# Altium PCB Dahlia Carrier Board.PcbDoc (part 6 of 10) (continued)
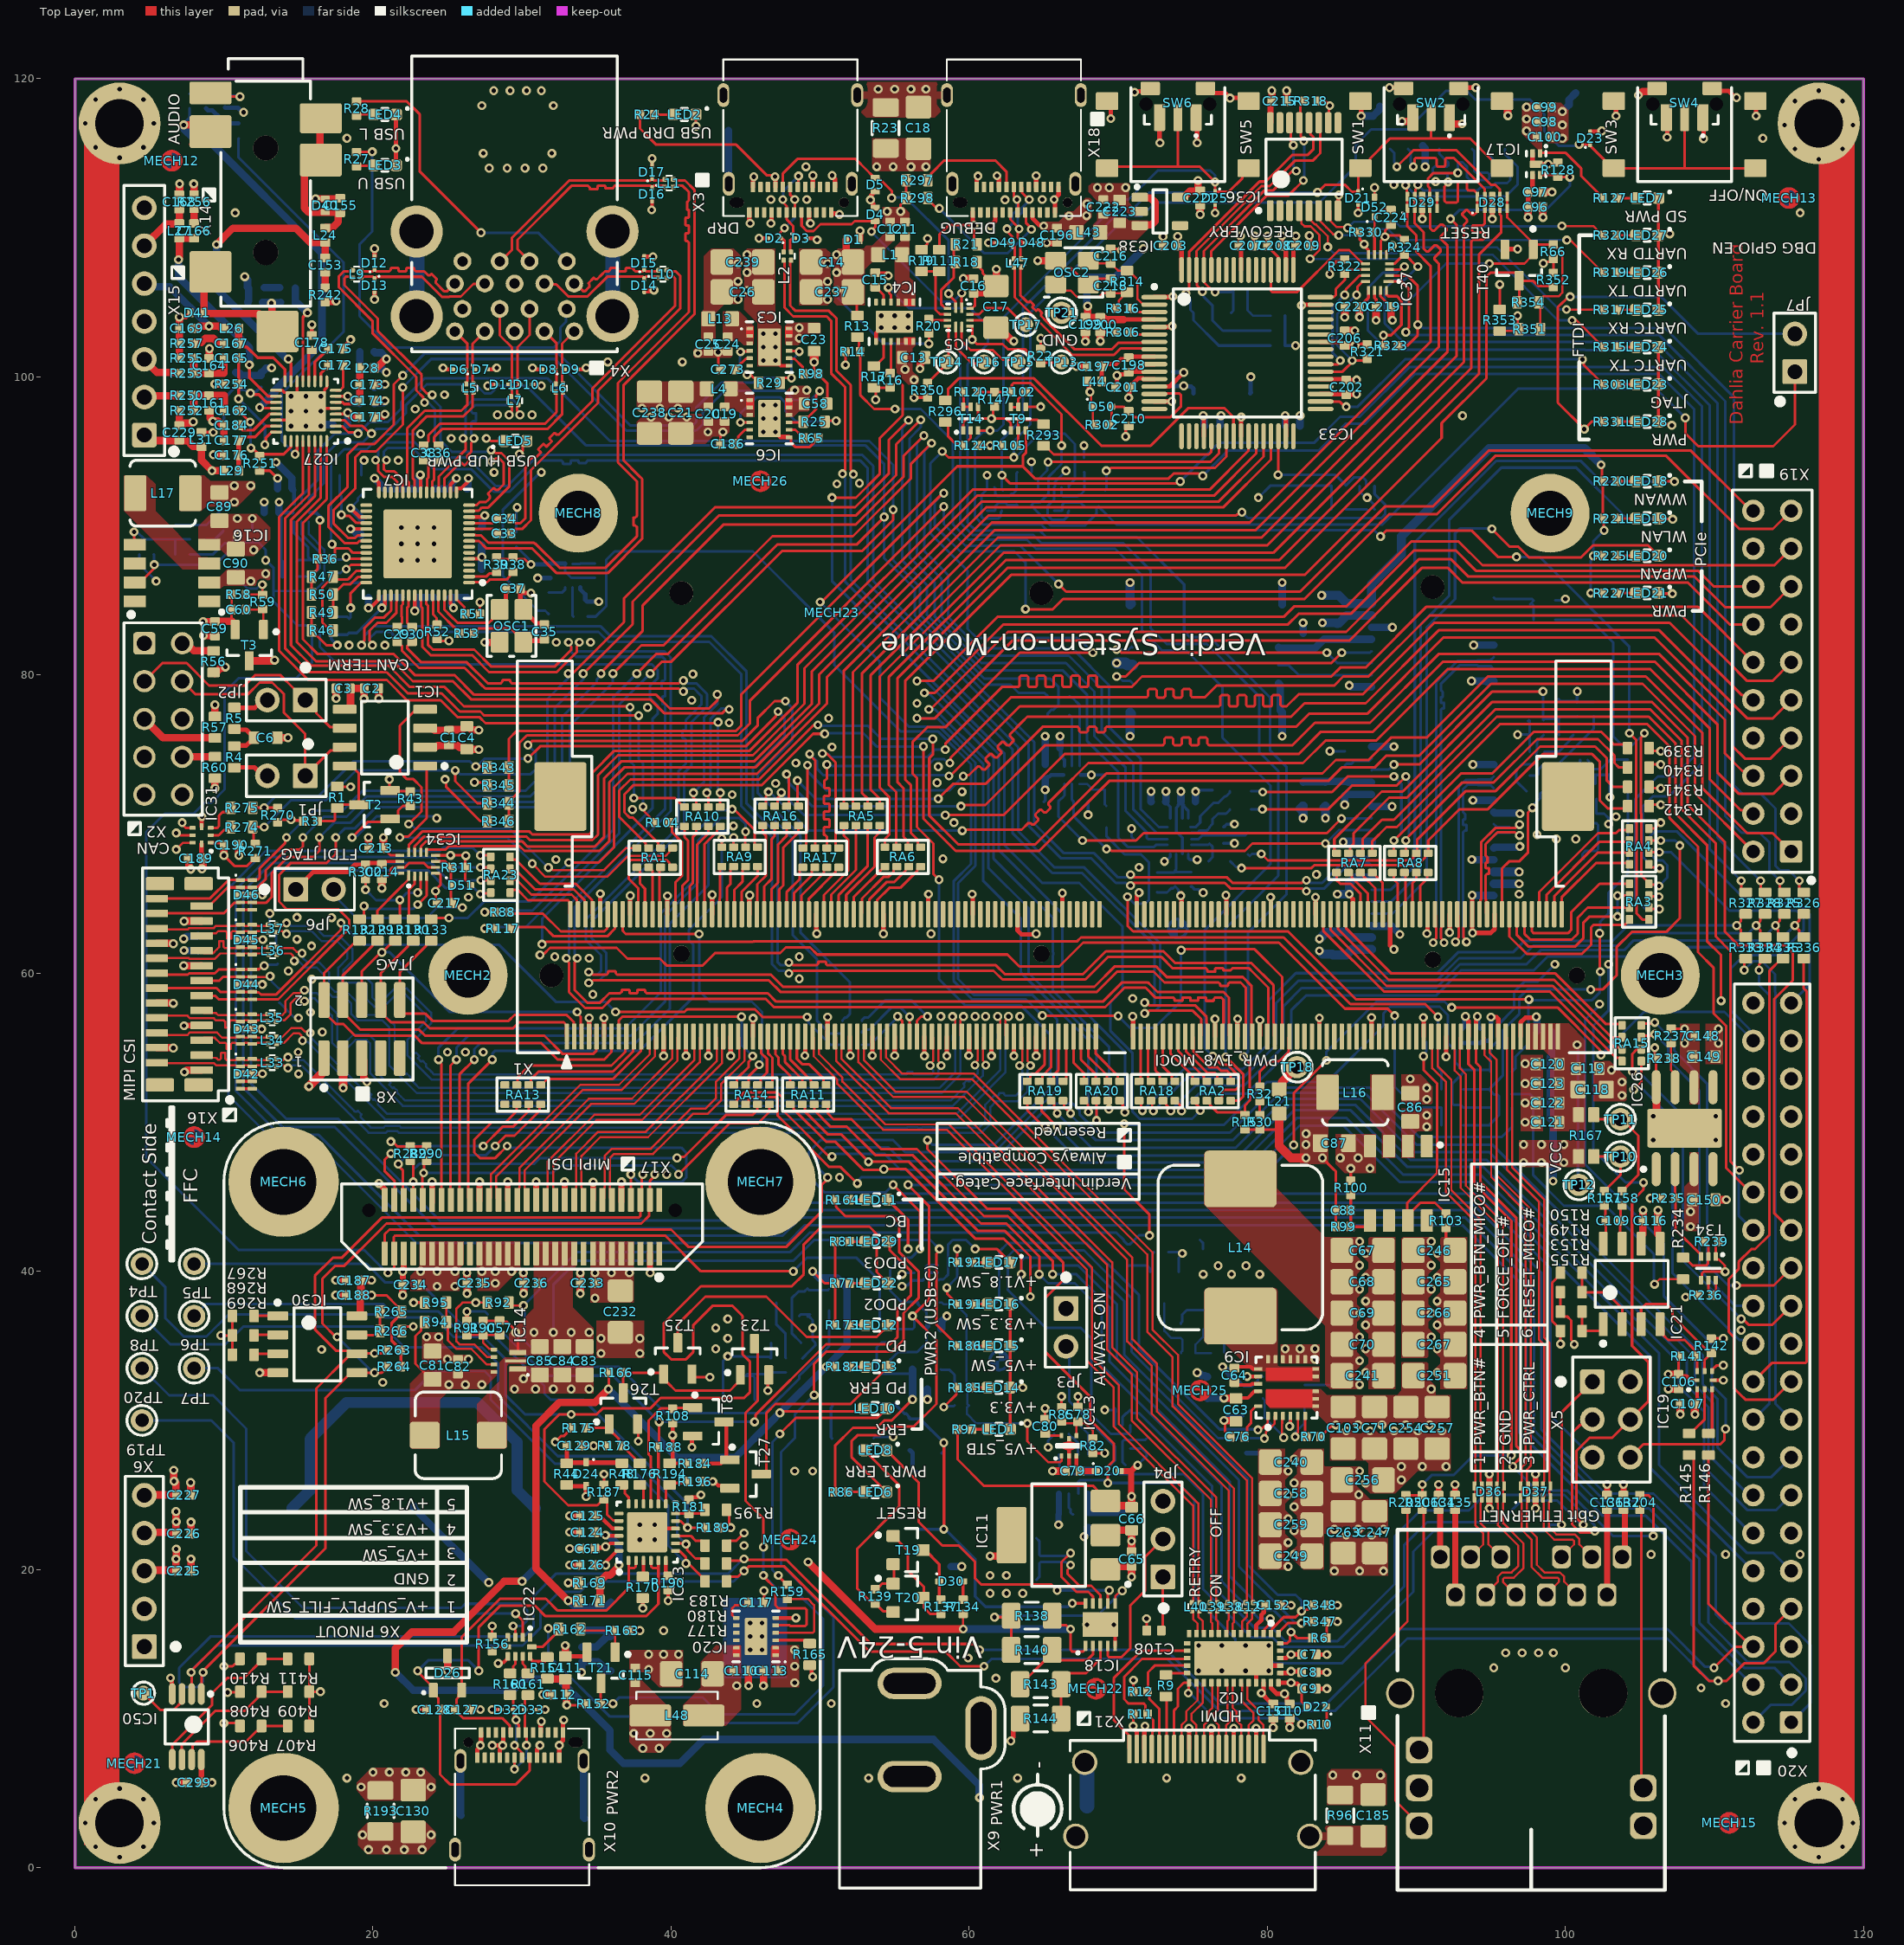
[diagram p0: Top Layer view]
## Nets (pads, with @x,y where several pads share a name; then routed paths per layer and width w, separated by ;. In a path a pad name is that pad's centre, name@x,y a point inside that pad or via, vN(x,y) a via of type N, cw(c..) or ccw(c..) an arc to the next point about the centre after c; other vN are vias at no path point) (continued)
  Top Layer w0.5: X16.4@5.5,55 6.548,55 6.573,54.975 v1(6.6,54.975) ; X16.10@5.5,58 v1@6.548,58 ; X16.18@5.5,62 v1@6.548,62 ; v1(6.8,5.7) C299.1@7.51,5.7 ; C229.2@7,96.74 C229.2@7.01,96.75 ; C168.1@7,112.23 7.025,112.255 v1(7.025,112.95) ; v1(7.005,104.02) 7.005,103.255 C169.1@7.01,103.25 7.015,103.245 7.015,101.255 R255.1@7.02,101.25 ; R252.1@7.02,97.75 7.01,97.74 C229.2@7.01,96.75 ; v1(7.3,116.9) 8.6,116.9 9.05,116.45 8.75,116.45 X14.4@7.9,115.6 ; v1(7.351,53.365) 7.378,53.365 7.513,53.5 X16.1@8.5,53.5 ; C189.1@7.61,67.7 7.65,67.66 7.65,67.131 7.775,67.005 v1(7.775,66.978) ; v1(7.762,25.829) 7.776,25.815 7.776,25.014 C227.1@7.79,25 ; v1(7.787,20.704) 7.789,20.702 7.789,19.901 C225.1@7.79,19.9 ; v1(7.787,23.179) v1(7.787,23.179) 7.789,22.401 C226.1@7.79,22.4 ; v1(7.935,96.989) 7.908,96.989 7.819,96.9 7.373,96.9 7.253,96.78 7.04,96.78 C229.2@7.01,96.75 ; v1(7.975,112.95) 7.988,112.937 7.988,112.242 R256.1@8,112.23 ; v1(8.625,82.65) 9.36,82.65 C59.1@9.4,82.61 ; C161.1@9,97.76 9.04,97.76 9.08,97.72 9.08,97.226 9.252,97.055 v1(9.252,97.028) 9.269,97.044 9.583,97.044 9.607,97.02 9.635,97.02 9.825,96.83 9.97,96.83 10.01,96.79 C184.1@10.01,96.75 C177.1@10.01,95.75 ; C164.1@9,101.24 9.013,101.253 9.013,101.888 v1(9.025,101.9) ; v1(9.3,94.775) 9.313,94.763 9.988,94.763 C176.1@10,94.75 ; R57.1@9.4,77.225 v1(9.4,78) ; R56.2@9.4,80.1 9.4,80.175 9.475,80.25 9.556,80.25 9.77,80.464 10,80.464 10.073,80.537 v1(10.1,80.537) ; v1@9.413,99.513 R254.1@10.048,99.513 ; C190.1@10.99,68.6 10.95,68.56 11,68.51 v1(11,67.9) ; v1(12.402,33.198) IC30.4@13.617,33.198 ; C6.1@13.575,75.8 v1(14.3,75.8) ; v1(16.15,111.95) D40.1@16.8,111.95 17.76,111.95 C155.1@17.8,111.99 ; R242.1@16.8,105.02 16.835,105.055 17.478,105.055 17.498,105.075 v1(17.525,105.075) ; v1(17.5,38.4) C188.1@18.21,38.4 C188.1@18.2,38.41 ; v1(17.5,39.4) C187.1@18.21,39.4 C187.1@18.2,39.39 ; C3.1@17.51,79.1 17.525,79.085 v1(17.525,78.432) ; X8.5@19.25,54.3 19.38,54.17 19.38,52.947 19.6,52.727 v1(19.6,52.7) ; v1(19.7,69.1) 19.705,69.095 19.705,68.405 C213.1@19.71,68.4 ; C171.1@20.09,97.3 20.09,97.34 20.13,97.38 20.68,97.38 v1(20.8,97.5) ; C174.1@20.09,98.4 v1(20.8,98.4) ; C173.1@20.09,99.5 v1(20.8,99.5) ; v1(20.39,78.41) C2.1@20.39,79.1 ; v1(20.6,65.7) C214.1@20.6,66.31 ; v1(22,38.4) 22,39.09 22.005,39.095 C234.1@22.01,39.1 ; IC1.2@23.5,75.165 24,75.165 24.05,75.215 24.283,75.215 24.343,75.275 25.065,75.275 C1.1@25.1,75.31 25.1,75.295 25.125,75.27 25.68,75.27 25.825,75.125 26.2,75.125 C4.1@26.3,75.025 26.312,75.012 27.087,75.012 v1(27.1,75) ; v1(25,13.2) D26.3@25,14.2 ; v1(26.3,39.9) 26.305,39.895 26.305,39.205 C235.1@26.31,39.2 v1(26.31,38.51) ; v1(27.5,82.2) 27.519,82.181 28.15,82.181 28.5,81.831 OSC1.2@28.5,81.8 ; v1(30.1,39.9) 30.1,39.21 C236.1@30.11,39.2 v1(30.11,38.51) ; v1(31.4,11.6) C112.1@32.01,11.6 ; C111.1@32.9,14.175 v1(32.9,14.9) ; v1(33.1,19.1) R169.1@33.775,19.1 ; v1(33.91,38.51) C233.1@33.91,39.2 v1(33.91,39.89) ; C110.1@45.19,13.2 45.195,13.195 45.195,12.205 v1(45.2,12.2) ; v1(46.2,12.2) 46.2,13.19 C113.2@46.21,13.2 ; D1.1@52.65,109.2 52.65,109.748 52.675,109.773 v1(52.675,109.8) ; v1(56.7,100.55) 56.719,100.569 56.719,100.894 56.95,101.125 56.95,101.2 C13.1@57.05,101.3 ; v1(59.6,106.6) 59.605,106.595 60.295,106.595 C16.1@60.3,106.59 ; v1(61.4,20.9) 62,20.9 62.1,20.8 62.85,21.55 IC11.4@62.85,22.3 ; C17.1@61.8,103.303 62.312,102.791 62.509,102.791 62.881,102.419 62.981,102.419 v1(63,102.4) ; v1(64.6,107.8) OSC2.4@65.8,107.8 ; v1(65.2,109) 65.205,109.005 65.895,109.005 C196.1@65.9,109.01 ; v1(65.6,26.6) C79.1@66.46,26.6 ; v1(67.2,100.7) C197.1@67.91,100.7 ; v1(67.8,102.377) C199.1@67.8,103.02 ; v1(68.8,102.4) C200.1@68.8,103.01 ; C222.1@68.979,111.869 C222.1@69,111.89 C222.1@68.995,111.895 ; IC11.2@69.15,22.3 69.475,22.625 C66.1@70.9,22.625 v1(70.9,21.9) C65.1@70.9,21.19 ; v1(75.5,110.9) C221.1@75.5,111.51 ; v1@77.119,29.981 77.844,29.981 C63.1@77.9,29.925 ; C215.1@81.29,118.5 81.3,118.51 v1(81.3,119.2) ; v1(81.5,9.4) C10.1@81.5,10.01 ; C206.1@85.2,103.09 85.21,103.1 v1(85.875,103.1) ; v1(85.2,104) 85.21,104 C220.1@85.21,104.7 ; C219.1@88.29,104.7 88.3,104.69 88.3,103.927 88.4,103.827 v1(88.4,103.8) ; v1(89.04,117.143) 89.75,117.143 89.75,117.375 SW2.3@89.775,117.4 ; SW2.1@92.225,117.4 92.225,117.175 92.425,116.975 v1(93.075,116.975) ; SW1.1@95.75,118.5 95.85,118.5 96.131,118.219 96.131,117.544 v1(96.15,117.525) ; C96.1@98.49,111.4 98.5,111.39 v1(98.5,110.7) ; C97.1@98.49,112.4 v1(99.1,112.4) ; C136.2@102.8,25.03 102.84,24.99 C136.2@102.857,24.99 ; v1(104.9,118.9) 104.927,118.9 105.177,119.15 105.95,119.15 SW4.SH2@106.15,119.35 ; IC21.6@105.085,41.85 105.085,42.35 105.21,42.475 C116.1@105.21,43.4 105.217,43.408 v1@105.217,44.099 ; IC26.8@106.095,52.345 106.114,52.326 IC26.9@106.114,50.395 ; IC26.8@106.095,52.35 IC26.8@106.095,53.173 ; v1(106.91,32.11) C106.1@107.6,32.11 ; v1(107.71,30.41) C107.1@107.71,31.1 ; C150.1@110.075,44.8 v1(110.8,44.8)
  Top Layer w0.6: X8.3@17.98,54.3 18,54.28 v1(18,52.3) ; v1(49.6,101) C23.1@49.6,101.725
  Bottom Layer w0.175: R110.1@4.32,88.1 4.32,87.43 v1(5.45,86.3) ; v1(7.3,116.9) 7.3,117 7.7,117.4 C159.1@7.7,118.01 ; R107.1@7.68,88.1 9.275,88.1 10.025,88.85 10.448,88.85 v1(10.898,89.3) ; T5.2@11.85,89.7 11.9,89.75 v1(11.9,90.5) ; C28.1@18.5,86.19 C55.1@19.7,86.19 ; R55.2@19.225,93.4 19.225,94.11 19.4,94.285 v1(19.4,94.4) ; v1(26.3,37.3) 27.52,37.3 R93.1@27.7,37.12 ; v1(32.9,14.9) 32.85,14.9 v1@32.95,15 ; T16.2@48.6,37 48.72,37.12 49.32,37.12 T16.2@49.15,36.95 ; R126.1@48.8,34.16 48.825,34.16 49.022,34.357 49.022,34.382 49.7,35.06 49.68,35.08 R125.1@49.68,35.2 49.5,35.38 v1(49.5,36.2) 49.5,36.738 49.288,36.95 T16.2@49.2,36.95 ; C104.1@53.597,28.8 53.697,28.9 v1(54.9,28.9) ; v1(61.2,93.4) T10.1@61.2,92.59 61.2,92.455 60.812,92.068 60.812,90.627 60.952,90.487 61.948,90.487 62.137,90.677 62.137,90.948 T10.4@62.2,91.01 ; v1(65.3,28.2) 65.3,28.65 65.71,29.06 C74.1@65.71,29.1 ; v1(66.5,93.7) 65.76,92.96 65.76,92.65 T12.1@65.7,92.59 65.7,91.781 65.275,91.356 65.275,90.7 65.312,90.663 65.312,90.653 65.478,90.487 65.488,90.487 65.575,90.4 66.361,90.4 66.637,90.677 66.637,90.948 T12.4@66.7,91.01 ; v1(69.1,30.7) 69.68,30.7 69.78,30.8 69.82,30.76 R87.1@69.82,30.7 69.82,30.54 69.8,30.52 T6.1@69.8,29.69 ; v1(70.9,69.7) 70.9,69.14 R285.1@71.04,69 ; v1@71.394,65.4 71.4,65.394 v1(71.4,65.4) ; D47.A@72.6,65.44 72.622,65.418 73.272,65.418 73.547,65.692 73.672,65.692 R287.1@73.8,65.82 73.825,65.82 74.022,65.623 74.022,65.479 74.193,65.308 v1(74.193,65.193) ; R118.1@73.38,41.3 74.085,41.3 74.185,41.2 v1(74.3,41.2) 74.3,41.135 74.05,40.885 T13.2@74.05,39.95 ; v1(77.1,30) 77,30 77.3,30.3 R84.2@78.375,30.3 ; v1(81.501,29.599) 81.501,30.381 R75.1@81.52,30.4 ; T37.1@86.2,92.69 86.2,92.3 86.6,91.9 v1(86.7,91.9) 87.137,91.462 87.137,91.172 T37.4@87.2,91.11 ; v1(96.8,76) 97.544,76 R226.1@97.568,75.976 ; C141.1@97.482,76.9 C141.1@97.558,76.976 97.6,76.934 T31.1@97.6,74.84
  Bottom Layer w0.2: v1(55.5,39) 55.577,39.077 55.877,39.077 56.125,39.325 56.125,39.35 56.175,39.4 T29.4@56.31,39.4 ; T29.4@56.41,39.4 56.9,39.4 57.1,39.6 57.1,39.9 ; T29.2@57.89,39.9 57.1,39.9 ; T29.1@57.89,40.4 57.217,40.4 57.1,40.283 57.1,39.9 ; v1@68.3,73.3 v1(68.2,73.3) 68.21,73.29 69.09,73.29 R214.1@69.1,73.28 ; v1(73.1,67.5) 73.1,67.586 73.114,67.6 73.3,67.6 73.5,67.8 IC32.8@73.5,68 ; IC32.5@74.7,68 74.7,67.717 74.817,67.6 75.286,67.6 v1(75.3,67.615) ; v1(75.19,72.19) 75.298,72.19 75.388,72.28 R282.2@76.3,72.28 ; R284.2@77.08,68.7 77.094,68.715 v1(77.8,68.715) ; R283.2@77.08,69.8 77.28,70 v1(77.8,70) 77.823,70 77.908,69.915 v1@77.994,70 ; T31.4@98.6,73.26 98.63,73.29 101,73.29 ; T33.4@101,74.29 101,73.29 ; T33.2@101.5,72.71 101.5,73.24 101.45,73.29 ; T33.1@102,72.71 102,73.265 102.025,73.29 ; v1(103,71.8) 103,71.6 R233.1@103,73.32 102.97,73.29 102.025,73.29 ; 101,73.29 101.45,73.29 ; 101.45,73.29 102.025,73.29
  Bottom Layer w0.25: IC8.4@15.775,90.9 16.179,90.9 16.437,90.642 v1(16.437,90.385) ; IC25.4@67.475,73.3 v1(68.2,73.3)
  Bottom Layer w0.3: D39.1@10.07,118.08 D39.1@10.1,118.05 10.944,118.05 11.244,117.75 v1(11.325,117.75) ; v1(12.7,91.6) v1@12.705,91.595 ; C31.1@12.705,90.905 C31.1@12.71,90.9 ; v1(31.05,86.5) 31.06,86.51 C27.1@31.9,86.51 ; T1.1@33.9,85.885 33.9,85.75 34.245,85.405 34.245,85.06 R35.1@34.38,84.925 v1(35.15,84.925) ; C212.1@73.7,100.34 73.74,100.3 73.76,100.32 74.38,100.32 v1(74.4,100.3) ; R79.1@78.6,27.82 78.62,27.8 79.591,27.8 80.203,27.188 C102.1@80.203,27.1 ; IC35.5@78.855,98.9 78.9,98.945 78.877,98.968 78.877,99.977 v1(78.9,100) ; C228.1@93.1,55.31 C133.1@94.3,55.31 94.44,55.45 94.832,55.45 95.008,55.626 v1(95.008,57.056)
  Bottom Layer w0.4: v1(66,23) 66,23.69 C73.1@66.01,23.7 66.01,23.707 66.025,23.722 IC10.4@66.025,25.09
  Bottom Layer w0.5: v1(7.3,62.3) 7.327,62.3 7.497,62.47 8.21,62.47 C193.1@8.25,62.51 ; v1@7.3,116.65 8.01,115.94 C157.1@8.01,115.9 ; v1(7.323,61.523) 7.34,61.506 8.234,61.506 C194.1@8.25,61.49 ; v1(9.025,101.9) v1@9.052,101.9 ; C183.1@10.8,100.29 10.84,100.25 11.06,100.25 11.204,100.106 C182.1@12.484,100.106 ; v1(11.395,106.725) 11.395,106.698 11.585,106.508 11.585,106.035 R243.1@11.62,106 11.654,105.966 11.654,105.084 11.61,105.04 C156.1@11.61,105 ; C182.1@12.5,100.29 12.54,100.29 12.831,100.581 13.181,100.581 v1(13.2,100.6) ; C31.1@12.705,90.905 v1@12.705,91.595 ; v1(13.6,93.2) 13.605,93.195 13.605,92.505 C32.1@13.61,92.5 ; v3(16.5,96.7) 16.527,96.7 16.627,96.8 C170.1@17.31,96.8 ; C181.1@20.09,98.2 20.09,98.24 20.13,98.28 20.751,98.28 20.781,98.31 20.781,98.381 v1(20.8,98.4) ; C180.1@20.09,99.3 20.09,99.34 20.13,99.38 20.653,99.38 20.773,99.5 v1(20.8,99.5) ; C179.1@20.09,100.6 20.09,100.59 20.13,100.55 20.623,100.55 20.873,100.3 v1(20.9,100.3) ; BAT1.2@22.73,24.25 22.73,24.133 27.739,19.124 v1(27.766,19.124) ; C131.1@34,14.79 34.99,14.79 35.7,15.5 IC24.2@35.95,15.5 35.525,15.925 C132.1@34,15.925 ; C77.2@57.19,32.1 57.195,32.095 57.195,31.405 v1(57.2,31.4) ; IC12.3@58.1,36.125 58.15,36.175 58.15,36.65 v1(58.5,37) ; C105.1@58.79,20.2 v1(59.5,20.2) ; C139.1@65.1,73.99 65.1,75.09 C140.1@65.11,75.1 65.1,75.11 v1(65.1,75.9) ; v1(67.7,22.2) 67.7,22.227 67.92,22.447 67.92,22.77 67.96,22.81 C62.1@68,22.81 ; v1(72.2,72.2) 72.2,71.51 C191.1@72.21,71.5 ; C192.1@75.19,71.5 v1(75.19,72.19) ; C204.1@76.79,96.7 76.83,96.74 76.83,97.303 76.9,97.373 v1(76.9,97.4) ; X12.S4@80.75,79.45 80.875,79.325 80.875,77.625 X12.G3@81,77.5 ; v1(81,75.9) X12.G3@81,77.498 ; X12.G4@81,84.7 v1(81,86.2) ; C205.1@82.19,96.7 82.195,96.705 82.195,97.395 v1(82.2,97.4) ; C230.1@82.4,82.79 v1(82.4,83.5) ; v1(85.2,71.3) C231.1@85.2,71.92 85.24,71.92 85.322,72.002 86.998,72.002 X13.26@87,72 ; v1(86.3,117.5) 87.1,117.5 87.55,117.95 X7.9@87.55,118.15 ; X13.18@87,75.2 v1(88.5,75.2) ; X7.6@90.44,115.5 90.59,115.35 90.59,114.717 90.6,114.707 v1(90.6,114.1) ; v1(93.7,79.6) 94.675,79.6 94.725,79.55 94.775,79.6 X13.15@95.2,79.6 ; v1(93.725,67.625) 93.738,67.612 95.188,67.612 X13.37@95.2,67.6 ; v1(93.75,65.225) 93.763,65.212 95.188,65.212 X13.43@95.2,65.2 ; v1(93.8,71.6) X13.27@95.2,71.6 ; v1(93.8,74) X13.21@95.2,74 ; v1(93.851,82.012) 93.857,82.006 95.194,82.006 X13.9@95.2,82 ; X13.35@95.2,68.4 95.25,68.45 96.873,68.45 96.923,68.5 v1(96.95,68.5) ; X13.29@95.2,70.8 95.25,70.75 96.873,70.75 96.923,70.7 v1(96.95,70.7) ; v1(99.8,117.8) 100.25,118.25 100.25,118.6 X7.9@100.7,119.05
  Bottom Layer w0.6: v1(70.8,75.9) 70.8,77.3 70.9,77.4 X12.G2@70.8,77.5 ; X12.G1@70.8,84.7 70.9,84.8 70.8,84.9 v1(70.8,86.2) ; v1(83.5,62.3) 83.925,62.725 84.35,62.725 C147.1@84.4,62.775 85.225,62.775 85.6,62.4 X13.50@87,62.4 ; v1(83.7,83.5) 84.65,83.5 C145.1@84.675,83.475 ; C145.1@84.625,83.475 C145.1@84.675,83.475 ; v1(84.7,65.3) v1(85.5,65.3) 85.5,66.049 85.851,66.4 X13.40@87,66.4 ; C145.1@84.7,83.45 C145.1@84.675,83.475 ; v1(85.1,68.8) X13.34@87,68.8 ; X13.4@87,84 85.35,84 84.825,83.475 C145.1@84.675,83.475
  other v1: 19.2,5.4 23.9,5.4 18.252,6.006 38.252,6.006 53.252,6.006 63.252,6.006 73.252,6.006 78.252,6.006 84.4,6.2 86,6.2 87.6,6.2 20,6.4 21.1,6.4 22.2,6.4 23.2,6.4 20.752,11.006 45.752,11.006 50.752,11.006 110.752,11.006 109.105,12.054 61.8,12.7 38.5,13.3 95.2,13.4 100,13.4 59.93,14.054 38.5,14.3 39.5,14.3 40.5,14.3 96,14.4 97.1,14.4 98.2,14.4 99.2,14.4 39.5,15.9 67.9,16.3 84.5,19.9 86.2,19.9 87.8,19.9 81.4,20.2 105.752,21.006 110.752,21.006 115.752,21.006 44.9,21.6 81.4,21.8 85.3,22.3 87,22.3 81.4,23.4 81.4,25 86.6,25.8 89,26 48.3,26.6 49.5,26.6 81.4,26.6 89,26.9 90.4,26.9 92,26.9 85.3,29.3 86.9,29.3 88.5,29.3 90.1,29.3 91.7,29.3 29.5,32.1 30.9,32.1 32.1,32.1 33.3,32.1 34.5,32.1 20.655,32.554 30.1,32.8 86.6,33.2 91.4,33.2 25,34.1 26.4,34.1 83.2,34.1 35.3,34.5 37.9,34.5 16.555,34.754 81.2,34.8 82.2,34.8 83.2,34.8 86.6,34.8 91.4,34.8 35.3,35.5 37.9,35.5 23.6,35.6 24.4,35.6 111.8,36.05 91.4,36.4 86.6,38 91.4,38 86.6,39.6 91.4,39.6 86.6,41.2 91.4,41.2 105.215,44.099 23.968,46 51.3,46.3 39.7,46.5 86.9,46.9 84.9,47.6 86.1,47.6 97.3,50 97.3,51.3 90.7,51.537 103.8,51.8 90.7,52.3 97.3,52.6 103.8,52.7 89.6,52.9 12.582,53.251 15.011,53.243 103.1,53.5 97.3,53.937 39.5,54.45 41,54.45 57,54.45 58.5,54.45 61.5,54.45 63,54.45 64.5,54.45 52.022,54.475 59.975,54.475 14.975,54.7 25,54.7 26.2,54.7 27.4,54.7 110.262,55.3 16.6,56.05 110.262,56.263 50.5,57.052 58.1,57.1 60.4,57.1 61.1,57.1 63.4,57.1 15.8,57.375 6.6,57.975 70.975,58.3 34.75,58.575 15.9,59.6 48.6,59.625 14.325,60.15 34.5,61 32.2,61.1 48.6,61.1 15.875,61.825 6.6,61.975 12.608,62.249 14.9,62.275 57.437,62.64 14.9,63.738 17.222,63.727 26.4,65.1 37.258,65.203 83.3,66.625 71.4,67.1 32.275,67.625 58.235,67.675 26.23,67.879 99.4,69 100.7,69 98.1,69.3 44.18,69.879 58.975,70.1 37.405,70.979 44.1,71.975 59.525,72.175 47.017,72.733 57.85,72.775 57.926,73.849 48.375,74.1 50.8,75.175 43.9,76.8 50.575,77.1 38.425,77.825 56.5,78.1 41.388,78.312 41.463,80.062 18.4,82 20.8,82 32.3,82.2 34.6,82.2 11.998,88.4 10.898,90.5 51.125,92.825 52.636,92.864 28.125,93.6 21.7,94.4 25.25,95.875 42.477,96.306 38.652,97.306 39.852,97.306 41.052,97.306 93.1,97.4 28.35,97.45 30.675,97.45 22.837,97.849 24.8,98.8 9.4,99.525 35.752,101.006 40.752,101.006 41.8,101.6 50.506,105.198 45.094,105.802 50.506,106.398 45.094,107.002 50.506,107.598 45.094,108.202 10.752,111.006 115.752,111.006 54.5,111.1 62.405,111.879 46.7,111.9 49.1,111.9 64.9,111.9 65.7,111.9 68.6,112.7 69.4,112.7 70.5,112.7 91.3,113.1 27.8,114 29,114 30.2,114 31.4,114 49.05,114.1 53.8,114.1 54.9,114.1 56.1,114.1 57.1,114.1 38.725,114.65 27.4,115 32,115 18.252,116.006 99.8,116 113.252,116.006 99.8,116.9
  other v3: 75.4,13.2 76.95,13.2 78.55,13.2 80.1,13.2 75.4,14.9 76.95,14.9 78.55,14.9 80.1,14.9 37.9,22 38.9,22 37.9,23 38.9,23 105.9,48.8 110.1,48.8 105.9,50.4 110.1,50.4 21.9,87.7 23,87.7 24.1,87.7 21.9,88.8 23,88.8 24.1,88.8 21.9,89.9 23,89.9 24.1,89.9 46.2,96.3 47,96.3 14.5,96.7 15.5,96.7 46.2,97.2 47,97.2 14.5,97.7 16.5,97.7 46.2,98.1 47,98.1 14.5,98.7 15.5,98.7 16.5,98.7 46.2,101.1 47,101.1 46.2,102 47,102 46.2,102.9 47,102.9 55,103.3 55.9,103.3 54.1,104.1 55,104.1 55.9,104.1
  other v4: 88.5,112.9
GND_CHASSIS: C18.2 C22.2 C130.2 C138.2 C185.2 pad.0 R23.2 R26.2 R96.2 R193.2 R207.1 X3.SH1 X3.SH2 X3.SH3 X3.SH4 X4.S1 X4.S2 X4.S3 X4.S4 X10.SH1 X10.SH2 X10.SH3 X10.SH4 X11.S1 X11.S2 X18.SH1 X18.SH2 X18.SH3 X18.SH4 X21.S1 X21.S2 X21.S3 X21.S4 | length 28.6
  Top Layer w0.5: X18.SH4@58.96,112.85 X18.SH4@58.96,113.316
  Bottom Layer w0.5: X10.SH2@25.51,1.206 X10.SH2@25.51,1.659 ; 25.9,3.5 25.87,3.53 X10.SH1@25.87,7.156 X10.SH1@25.9,7.126 ; X10.SH4@34.13,7.156 34.13,3.37 34.2,3.3 ; X10.SH3@34.49,1.206 X10.SH3@34.49,1.687 ; X3.SH3@43.453,118.505 X3.SH3@43.453,119.298 ; 43.85,116.525 43.85,112.97 X3.SH4@43.87,112.95 ; X3.SH2@52.351,118.443 52.49,118.581 X3.SH2@52.49,118.9
  Bottom Layer w1: X4.S3@22.944,103.776 X4.S4@22.944,109.456 ; X4.S2@36.084,104.076 X4.S1@36.084,109.756 ; X21.S1@67.252,2.106 X21.S1@67.252,2.295 ; X21.S4@67.75,7.056 67.884,6.922 67.884,6.427 67.9,6.411 67.9,4.12 ; X21.S2@82.952,2.106 X21.S2@82.952,2.295
  other v1: 3,0.7 117,0.7 19.7,1.2 20.9,1.2 22.1,1.2 23.3,1.2 1.4,1.4 4.6,1.4 115.4,1.4 118.6,1.4 19.3,2.2 23.9,2.2 0.7,3 5.3,3 114.7,3 119.3,3 1.4,4.6 4.6,4.6 115.4,4.6 118.6,4.6 3,5.3 117,5.3 117,114.6 3,114.7 115.4,115.3 118.6,115.3 1.4,115.4 4.6,115.4 114.7,116.9 119.3,116.9 0.7,117 5.3,117 27.3,118.2 32.1,118.2 115.4,118.5 118.6,118.5 1.4,118.6 4.6,118.6 28.1,119.2 29.2,119.2 30.3,119.2 31.3,119.2 117,119.2 3,119.3 53.9,119.3 55,119.3 56.1,119.3 57.1,119.3
GPIO_1: RA7.5 X20.27 | length 68.3
  Top Layer w0.175: RA7.5@84.65,68.05 84.5,68.2 84.5,69 87.685,72.185 89.085,72.185 95.1,78.2 105.8,78.2 108.2,75.8 108.2,71.3 110.7,68.8 110.7,62.787 111.624,61.863 114.751,61.863 115.262,61.351 115.262,59.509 114.025,58.272 114.025,43.885 X20.27@115.15,42.76
GPIO_2: RA7.6 X20.28 | length 62.7
  Top Layer w0.175: RA7.6@85.45,68.05 85.56,68.16 85.56,68.46 85.8,68.7 85.8,69.4 88.175,71.775 89.375,71.775 95.3,77.7 105.7,77.7 107.8,75.6 107.8,71 110.1,68.7 110.1,62.45 111.079,61.471 111.079,47.371 v1(111.675,46.775)
  Bottom Layer w0.175: v1(111.675,46.775) 111.622,46.722 111.622,43.748 X20.28@112.61,42.76
GPIO_3: RA7.7 X20.29 | length 60
  Top Layer w0.175: RA7.7@86.4,68.1 86.4,69 87.7,70.3 88.5,70.3 95.4,77.2 105.6,77.2 107.4,75.4 107.4,70.7 109.5,68.6 109.5,62.15 110.45,61.2 v1(110.45,58.15)
  Layer 1 w0.195: v1(110.45,58.15) 110.45,58.075 111.475,57.05 111.475,52.2 112.05,51.625 113.225,51.625 113.875,50.975 113.875,46.575 X20.29@115.15,45.3
GPIO_4: RA7.8 X20.30 | length 57
  Top Layer w0.175: RA7.8@87.05,68.05 87.05,68.85 88,69.8 88.7,69.8 95.6,76.7 105.5,76.7 107,75.2 107,70.4 108.9,68.5 108.9,61.409 109.935,60.373 109.935,57.317 110.777,56.476 110.777,46.945 112.422,45.3 X20.30@112.61,45.3
GPIO_5_CSI: R278.2 R339.2 RA8.5 | length 34.8
  Top Layer w0.175: v1(79.698,72.148) 84.348,72.148 85.4,73.2 v1(88.5,73.2) ; RA8.5@88.4,68.05 88.5,68.15 v1(88.5,68.9) 93,73.4 95.1,73.4 97.9,76.2 102.4,76.2 103.244,75.356 103.937,75.356 104.175,75.119 R339.2@104.175,75.1
  Bottom Layer w0.175: R278.2@78.925,72.2 79.645,72.2 v1(79.698,72.148) ; v1(88.5,68.9) 89,69.4 89,72.7 v1(88.5,73.2)
GPIO_5_R: R339.1 X20.32 | length 42.1
  Top Layer w0.175: R339.1@105.625,75.1 105.825,74.9 v1(106.4,74.9)
  Layer 1 w0.195: v1(106.4,74.9) 105.1,74.9 104.6,74.4 104.6,70.475 98.6,64.475 98.6,60.3 101.525,57.375 104.3,57.375 104.8,57.875 107.75,57.875 109.4,56.225 109.4,52.375 110.75,51.025 110.75,49.6 112.51,47.84 X20.32@112.61,47.84
GPIO_6_CSI: R279.2 R340.2 RA8.6 | length 35.5
  Top Layer w0.175: v1(79.675,71) 84.1,71 85.7,72.6 88.7,72.6 v1(89.3,73.2) ; RA8.6@89.2,68.05 89.3,68.15 v1(89.3,68.9) 89.3,69 93.1,72.8 95.2,72.8 98.1,75.7 102.2,75.7 103.3,74.6 103.3,74.1 103.6,73.8 R340.2@104.175,73.8
  Bottom Layer w0.175: R279.2@78.925,71 v1(79.675,71) ; v1(89.3,68.9) 89.3,69.015 89.5,69.215 89.5,72.885 89.3,73.085 v1(89.3,73.2)
GPIO_6_R: R340.1 X20.33 | length 32.1
  Top Layer w0.175: R340.1@105.625,73.8 105.825,74 v1(106.4,74)
  Layer 1 w0.195: v1(106.4,74) 106.474,73.926 106.774,73.926 110.3,70.4 110.3,63.1 111.475,61.925 115.475,61.925 116.975,60.425 116.975,52.205 X20.33@115.15,50.38
GPIO_7_CSI: R280.2 R341.2 RA8.7 | length 31.5
  Top Layer w0.175: v1(79.6,68) 80.037,67.563 89.598,67.563 89.788,67.752 89.788,67.888 89.95,68.05 RA8.7@90,68.05 ; RA8.7@90.05,68.05 90.05,68.95 93.3,72.2 95.3,72.2 98.3,75.2 102,75.2 102.786,74.414 102.786,72.914 103.2,72.5 R341.2@104.175,72.5
  Bottom Layer w0.175: R280.2@78.7,67.975 78.825,67.85 78.975,68 v1(79.6,68)
GPIO_7_R: R341.1 X20.34 | length 25.4
  Top Layer w0.175: R341.1@105.625,72.5 105.725,72.4 v1(106.4,72.4)
  Layer 1 w0.195: v1(106.4,72.4) 107.136,71.664 107.136,62.764 109.7,60.2 109.7,57.8 110.81,56.69 110.81,52.18 X20.34@112.61,50.38
GPIO_8_CSI: R281.2 R342.2 RA8.8 | length 33.8
  Top Layer w0.175: v1(78.275,67.05) 82.965,67.05 83.152,67.238 90.073,67.238 90.588,67.752 90.588,67.888 90.75,68.05 90.85,68.05 RA8.8@90.8,68.05 90.8,68.9 92.9,71 94.8,71 98.5,74.7 101.8,74.7 102.3,74.2 102.3,71.6 102.84,71.061 104.035,71.061 R342.2@104.175,71.2
  Bottom Layer w0.175: R281.2@77.525,67.5 77.894,67.131 78.194,67.131 v1(78.275,67.05)
GPIO_8_R: R342.1 X20.35 | length 30
  Top Layer w0.175: R342.1@105.625,71.2 105.825,71.4 105.925,71.3 v1(106.4,71.3)
  Layer 1 w0.195: v1(106.4,71.3) 105.853,71.847 105.853,72.627 106.173,72.947 106.853,72.947 109.1,70.7 109.1,63.1 111.1,61.1 113.4,61.1 113.9,60.6 113.9,57.7 114.8,56.8 115.7,56.8 116.425,56.075 116.425,54.195 X20.35@115.15,52.92
GPIO_9_DSI: RA13.7 X17.8 | length 27.4
  Top Layer w0.175: v1(29,48.4) 28.2,47.6 27.172,47.6 26.8,47.972 26.8,48.828 27.974,50.002 28.902,50.002 29.637,50.738 29.637,51.188 RA13.7@29.65,51.2
  Top Layer w0.18: v1(37.3,46.5) 37.314,46.5 37.303,46.489 X17.8@37.303,44.8
  Bottom Layer w0.175: v1(29,48.4) 29,48.337 28.981,48.319 29.196,48.319 29.215,48.3 40.684,48.3 41.015,47.97 41.015,46.287 40.713,45.985 37.815,45.985 v1(37.3,46.5)
GPIO_10_DSI: RA13.5 X17.56 | length 14.3
  Top Layer w0.18: v1(21.7,47.2) 21.7,47.086 22,46.786 X17.56@22,44.401 ; v1(28.2,48.4) 28.9,49.1 29.5,49.1 31.185,50.785 31.185,51.135 RA13.5@31.25,51.2
  Bottom Layer w0.18: v1(21.7,47.2) 22.3,47.8 27.6,47.8 v1(28.2,48.4)
HDMI_1_CEC: IC2.35 R6.1 RA11.5 | length 55.6
  Top Layer w0.175: RA11.5@50.4,51.2 50.51,51.09 50.51,50.59 50.9,50.2 52.1,50.2 54.1,48.2 56.5,48.2 61,43.7 62.6,43.7 65.6,40.7 v1(65.6,39.8) ; IC2.35@80.875,15.05 81.35,15.05 81.538,15.238 81.538,15.738 v1(81.6,15.8) 82,15.4 R6.1@83.02,15.4
  Bottom Layer w0.175: v1(65.6,39.8) 67.2,39.8 69.425,37.575 69.425,33.95 77.5,25.875 77.5,19.525 79.758,17.267 80.433,17.267 81.527,16.173 81.527,15.873 v1(81.6,15.8)
HDMI_1_CEC_CON: IC2.18 R10.1 X21.13 | length 15
  Top Layer w0.175: X21.13@73.75,7.956 73.75,8.007 73.752,8.009 73.752,10.552 74,10.8 74,12 74.4,12.4 IC2.18@74.7,12.4 ; v1(74.7,11.7) 74.725,11.7 74.725,12.4 IC2.18@74.75,12.4 ; v1(82.3,9.6) R10.1@83.02,9.6
  Bottom Layer w0.175: v1(74.7,11.7) 74.8,11.7 76.475,10.025 81.975,10.025 82.244,9.756 82.244,9.656 v1(82.3,9.6)
HDMI_1_DDC_SCL: IC2.16 R12.1 X21.15 | length 8.3
  Top Layer w0.175: X21.15@72.75,7.956 72.75,8.082 72.752,8.084 72.752,10.648 72.1,11.3 72.1,11.68 R12.1@71.98,11.8 72,11.82 72,13.1 72.45,13.55 IC2.16@74.625,13.55
HDMI_1_DDC_SDA: IC2.15 R11.1 X21.16 | length 11.2
  Top Layer w0.175: X21.16@72.25,7.956 72.25,8.028 72.29,8.068 72.29,9.09 72.35,9.15 72.35,9.905 71.98,10.275 R11.1@71.98,10.3 71.832,10.448 71.832,10.897 71.729,11 70.7,11 70.4,11.3 70.4,12.8 71.6,14 74.7,14 74.675,14 IC2.15@74.625,14.05
HDMI_1_HEC_CON: R9.2 X21.14 | length 3.5
  Top Layer w0.175: R9.2@73.2,11.475 73.252,11.423 73.252,8.084 73.25,8.082 X21.14@73.25,7.956
HDMI_1_HPD: IC2.2 RA11.6 | length 53
  Top Layer w0.175: RA11.6@49.6,51.2 49.61,51.19 49.61,50.79 50.7,49.7 51.8,49.7 53.7,47.8 56.2,47.8 60.8,43.2 62.5,43.2 64.7,41 v1(64.7,39.8) ; IC2.2@79.75,15.7 79.812,15.762 79.812,15.994 80.126,16.307 80.126,16.7 v1(80.2,16.7)
  Bottom Layer w0.175: v1(64.7,39.8) 65.3,39.2 67.1,39.2 68.9,37.4 68.9,33.7 76.925,25.675 76.925,19.225 79.45,16.7 v1(80.2,16.7)
HDMI_1_HPD_CON: IC2.14 X21.19 | length 10.9
  Top Layer w0.175: X21.19@70.75,7.956 70.688,8.019 70.688,8.912 69.7,9.9 69.7,12.7 70.6,13.6 71.55,14.55 IC2.14@74.625,14.55
HDMI_1_TXC_CON_N: IC2.19 X21.12 | length 4.9
  Top Layer w0.144: X21.12@74.25,7.956 74.248,7.958 74.248,9.557 74.573,9.882 74.573,10.474 75.323,11.224 75.323,12.327 IC2.19@75.25,12.4
HDMI_1_TXC_CON_P: IC2.20 X21.10 | length 4.9
  Top Layer w0.144: X21.10@75.252,8.006 75.25,8.008 75.25,9.553 74.927,9.875 74.927,10.327 75.677,11.077 75.677,12.327 IC2.20@75.75,12.4
HDMI_1_TXC_L_N: IC2.11 L40.3 | length 1.7
  Top Layer w0.144: L40.3@74.95,17.225 75.023,17.152 75.023,16.677 75.323,16.377 75.323,15.773 IC2.11@75.25,15.7
HDMI_1_TXC_L_P: IC2.10 L40.4 | length 1.7
  Top Layer w0.144: L40.4@75.45,17.225 75.377,17.152 75.377,16.824 75.677,16.524 75.677,15.773 IC2.10@75.75,15.7
HDMI_1_TXC_N: L40.2 X1.67 | length 51.1
  Top Layer w0.144: X1.67@49.5,55.75 49.573,55.677 49.573,54.427 51.146,52.854 51.146,52.579 54.225,49.5 58.5,49.5 67.9,40.1 67.9,34.002 69.7,32.202 69.7,29.6 75.023,24.277 75.023,17.848 L40.2@74.95,17.775
HDMI_1_TXC_P: L40.1 X1.69 | length 51.1
  Top Layer w0.144: X1.69@50,55.75 49.927,55.677 49.927,54.574 51.5,53.001 51.5,52.726 54.372,49.854 58.647,49.854 68.254,40.247 68.254,34.149 70.054,32.349 70.054,29.747 75.377,24.424 75.377,17.848 L40.1@75.45,17.775
HDMI_1_TXD0_CON_N: IC2.21 X21.9 | length 4.7
  Top Layer w0.144: X21.9@75.75,7.956 75.748,7.958 75.748,9.557 76.075,9.884 76.075,10.475 76.323,10.723 76.323,12.327 IC2.21@76.25,12.4
HDMI_1_TXD0_CON_P: IC2.22 X21.7 | length 4.7
  Top Layer w0.144: IC2.22@76.75,12.4 76.677,12.327 76.677,10.576 76.429,10.328 76.429,9.874 76.75,9.553 76.75,8.008 X21.7@76.752,8.006
HDMI_1_TXD0_L_N: IC2.9 L39.3 | length 1.6
  Top Layer w0.144: L39.3@76.15,17.225 76.223,17.152 76.223,16.477 76.323,16.377 76.323,15.773 IC2.9@76.25,15.7
HDMI_1_TXD0_L_P: IC2.8 L39.4 | length 1.6
  Top Layer w0.144: L39.4@76.65,17.225 76.577,17.152 76.577,16.624 76.677,16.524 76.677,15.773 IC2.8@76.75,15.7
HDMI_1_TXD0_N: L39.2 X1.73 | length 51.1
  Top Layer w0.144: X1.73@51,55.75 51.073,55.677 51.073,54.127 54.6,50.6 59.097,50.6 69.246,40.451 69.246,34.754 70.9,33.1 70.9,30 76.223,24.677 76.223,17.848 L39.2@76.15,17.775
HDMI_1_TXD0_P: L39.1 X1.75 | length 51.1
  Top Layer w0.144: X1.75@51.5,55.75 51.427,55.677 51.427,54.274 54.747,50.954 59.244,50.954 69.6,40.598 69.6,34.901 71.254,33.247 71.254,30.147 76.577,24.824 76.577,17.848 L39.1@76.65,17.775
HDMI_1_TXD1_CON_N: IC2.23 X21.6 | length 4.7
  Top Layer w0.144: IC2.23@77.25,12.4 77.323,12.327 77.323,10.577 77.573,10.327 77.573,9.876 77.25,9.553 77.25,8.008 X21.6@77.252,8.006
HDMI_1_TXD1_CON_P: IC2.24 X21.4 | length 4.7
  Top Layer w0.144: IC2.24@77.75,12.4 77.677,12.327 77.677,10.724 77.927,10.473 77.927,9.881 78.252,9.557 78.252,7.958 X21.4@78.25,7.956
HDMI_1_TXD1_L_N: IC2.7 L38.3 | length 1.6
  Top Layer w0.144: IC2.7@77.25,15.7 77.323,15.773 77.323,16.524 77.423,16.624 77.423,17.152 L38.3@77.35,17.225
HDMI_1_TXD1_L_P: IC2.6 L38.4 | length 1.6
  Top Layer w0.144: IC2.6@77.75,15.7 77.677,15.773 77.677,16.377 77.777,16.477 77.777,17.152 L38.4@77.85,17.225
HDMI_1_TXD1_N: L38.2 X1.79 | length 51.1
  Top Layer w0.144: X1.79@52.5,55.75 52.573,55.677 52.573,54.027 54.9,51.7 59.674,51.7 70.6,40.774 70.6,35.3 72.254,33.646 72.254,30.446 77.423,25.277 77.423,17.848 L38.2@77.35,17.775
HDMI_1_TXD1_P: L38.1 X1.81 | length 51.1
  Top Layer w0.144: X1.81@53,55.75 52.927,55.677 52.927,54.174 55.047,52.054 59.821,52.054 70.954,40.921 70.954,35.447 72.608,33.793 72.608,30.593 77.777,25.424 77.777,17.848 L38.1@77.85,17.775
HDMI_1_TXD2_CON_N: IC2.25 X21.3 | length 4.9
  Top Layer w0.144: IC2.25@78.25,12.4 78.323,12.327 78.323,11.127 79.075,10.375 79.075,9.878 78.75,9.553 X21.3@78.75,7.956
HDMI_1_TXD2_CON_P: IC2.26 X21.1 | length 4.9
  Top Layer w0.144: IC2.26@78.75,12.4 78.677,12.327 78.677,11.274 79.429,10.522 79.429,9.88 79.752,9.557 X21.1@79.752,8.006
HDMI_1_TXD2_L_N: IC2.5 L12.3 | length 1.7
  Top Layer w0.144: IC2.5@78.25,15.7 78.323,15.773 78.323,16.523 78.623,16.823 78.623,17.152 L12.3@78.55,17.225
HDMI_1_TXD2_L_P: IC2.4 L12.4 | length 1.7
  Top Layer w0.144: IC2.4@78.75,15.7 78.677,15.773 78.677,16.376 78.977,16.676 78.977,17.152 L12.4@79.05,17.225
HDMI_1_TXD2_N: L12.2 X1.85 | length 51
  Top Layer w0.144: X1.85@54,55.75 54.073,55.677 54.073,54.196 55.369,52.9 60.173,52.9 71.946,41.127 71.946,35.953 73.654,34.245 73.654,30.946 78.623,25.977 78.623,17.848 L12.2@78.55,17.775
HDMI_1_TXD2_P: L12.1 X1.87 | length 51
  Top Layer w0.144: X1.87@54.5,55.75 54.427,55.677 54.427,54.342 55.515,53.254 60.32,53.254 72.3,41.274 72.3,36.1 74.008,34.392 74.008,31.093 78.977,26.124 78.977,17.848 L12.1@79.05,17.775